# KiCad board LittleSixteen.kicad_pcb (continued)
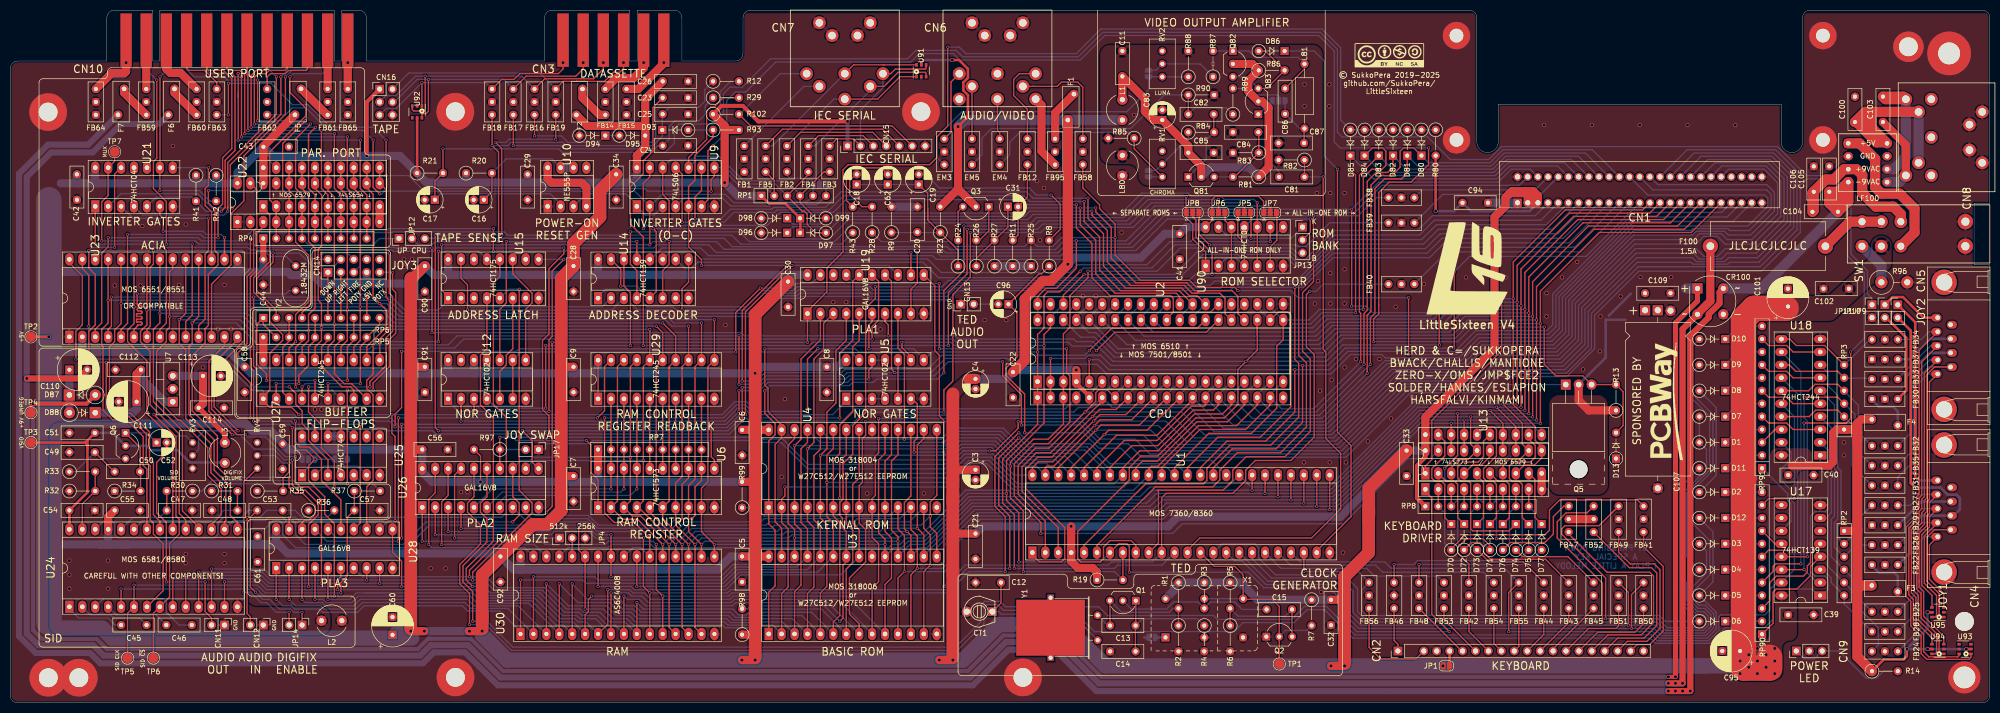
[diagram p0: board, top side]
## Routing (per net, layer and track width the routed paths; a pad name or vN(x,y) marks a point on that pad's centre or on a via; arc(x,y) is an arc through that point) (continued)
a13: length 331.5
  Top w0.25: D83.1 265.13,103.79 265.13,76.86 265.38,76.61 v1(265.38,67.08) ; 118.69,28.15 U30.25 ; U30.25 v1(118.06,24.79) ; U30.25 v1(118.06,33.05) ; U26.3 v1(86.06,33.68) ; U2.19 247.6,58.57 242.77,53.75 233.78,53.75 226.26,46.23 U1.38 ; U3.26 v1(154.13,32.41) 154.13,34.06 152.86,35.33 152.86,50.7 154.13,51.97 U4.26
  Bottom w0.25: v1(118.06,24.79) 139.65,24.79 142.06,27.21 152.55,27.21 U3.26 ; D83.1 272.24,104.3 291.54,104.3 294.08,106.84 306.79,106.84 CN1.J ; v1(265.38,67.08) 256.11,57.81 249.81,57.81 U2.19 247.6,60.61 U102.20 ; v1(154.13,32.41) 174.57,32.41 175.21,33.05 179.02,33.05 187.78,41.81 196.17,41.81 196.8,41.18 221.31,41.18 223.22,43.08 224.56,43.08 U1.38 ; v1(118.06,33.05) 115.14,33.05 113.87,34.32 106.66,34.32 106.03,33.68 v1(86.06,33.68)
a14: length 351.7
  Top w0.25: U30.11 v1(125.68,21.62) 124.41,22.89 v1(124.41,32.41) ; v1(265.89,77.37) 265.89,103.27 267.55,104.93 269.57,104.93 270.33,105.7 270.33,108.49 269.7,109.13 267.67,109.13 D84.1 ; U1.37 228.8,46.23 230.84,48.27 230.84,48.29 235.54,52.99 243.91,52.99 248.87,57.94 248.87,70.14 250.14,71.41 U2.21 ; v1(198.2,52.1) 194.26,48.16 194.26,38.89 196.42,36.73 v1(196.42,26.44) ; U26.2 v1(83.52,33.05)
  Bottom w0.25: v1(125.68,21.62) 127.2,21.62 ; 127.2,21.62 126.7,21.62 ; 127.2,21.62 140.92,21.62 141.56,22.25 183.85,22.25 188.04,26.44 v1(196.42,26.44) ; 247.6,78.39 247.6,77.8 U2.21 255.18,75.26 257.28,77.37 v1(265.89,77.37) ; U1.37 227.21,46.38 215.6,46.38 211.66,50.32 199.98,50.32 v1(198.2,52.1) ; v1(124.41,32.41) 115.01,32.41 113.74,33.68 106.88,33.68 106.25,33.05 v1(83.52,33.05) ; D84.1 270.08,103.66 291.8,103.66 294.34,106.2 305.43,106.2 CN1.H
a15: length 356.6
  Top w0.25: U2.22 249.19,76.85 251.04,76.85 251.66,76.23 251.66,58.23 245.65,52.22 237.31,52.22 231.34,46.26 U1.36 ; v1(198.2,53.11) 193.5,48.41 193.5,38.64 195.53,36.6 v1(195.53,25.81) ; v1(264.36,76.74) 264.36,103.79 263.35,104.81 D85.1 ; v1(126.95,31.14) 126.95,22.25 v1(128.22,20.98) U30.12 ; U26.1 v1(80.98,31.78)
  Bottom w0.25: v1(195.53,25.81) 188.42,25.81 184.23,21.62 141.81,21.62 141.17,20.98 v1(128.22,20.98) ; 245.06,78.39 245.06,77.8 U2.22 ; 273.63,103.03 292.11,103.03 294.65,105.57 304.06,105.57 CN1.F ; 273.63,103.03 267.92,103.03 D85.1 ; 273.63,103.03 270.08,103.03 ; v1(198.2,53.11) 200.36,50.95 212.17,50.95 216.1,47.02 229.11,47.02 U1.36 ; v1(251.66,74.5) 255.52,74.5 257.76,76.74 v1(264.36,76.74) ; v1(80.98,31.78) 104.47,31.78 105.11,31.14 116.92,31.14 117.55,31.78 126.31,31.78 v1(126.95,31.14)
A15_10_HIGH: length 337.3
  Top w0.25: v1(184.23,128.93) 184.23,113.44 182.07,111.28 182.07,107.22 180.67,105.82 164.67,105.82 163.65,104.8 163.65,88.67 160.48,85.5 160.48,80.8 156.67,76.99 U19.1 v1(156.67,70.89) ; v1(105.36,37.49) 106.5,38.64 v1(106.5,70.89) 106.5,70.26 ; U28.19 v1(54.81,36.48)
  Bottom w0.25: v1(105.36,37.49) 104.72,36.86 103.2,36.86 102.57,37.49 102.57,39.4 101.8,40.16 98.25,40.16 97.49,39.4 97.49,37.37 96.6,36.48 73.99,36.48 73.36,35.84 56.72,35.84 56.08,36.48 v1(54.81,36.48) ; v1(184.23,128.93) 186.51,128.93 187.78,127.66 209.5,127.66 214.33,132.49 257.76,132.49 261.44,128.81 261.44,114.59 D85.2 D84.2 D83.2 D82.2 D81.2 D80.2 R80.1 ; v1(106.5,70.89) v1(156.67,70.89)
AEC: length 306.3
  Top w0.25: U1.35 233.88,46.23 239.11,51.46 246.71,51.46 252.43,57.18 252.43,65.37 252.3,65.5 ; U102.5 v1(212.04,67.47) ; v1(100.66,53.49) 102.57,51.59 102.57,47.32 U26.11
  Bottom w0.25: CN1.22 336.3,96.43 319.16,96.43 303.1,80.36 303.1,74.32 301.96,73.18 287.99,73.18 283.92,69.12 262.84,69.12 259.23,65.5 215.91,65.5 213.94,67.47 v1(212.04,67.47) ; U102.5 209.5,60.61 U2.4 207.29,57.81 165.94,57.81 163.53,55.4 145.24,55.4 144.6,56.03 143.59,56.03 141.05,53.49 v1(100.66,53.49)
  vias: v1(252.43,65.5)
BA: length 180.3
  Top w0.25: U2.2 204.42,63.02 ; v1(253.95,66.33) 253.95,55.15 248.74,49.94 240.13,49.94 236.42,46.23 U1.34 ; U102.2 v1(204.42,67.72) ; v1(283.75,84.74) 283.75,69.83 v1(283.67,69.75)
  Bottom w0.25: v1(283.75,84.74) 286.8,87.79 309.66,87.79 CN1.13 ; v1(283.67,69.75) 262.33,69.75 258.91,66.33 v1(253.95,66.33) 216.29,66.33 214.26,68.35 211.91,68.35 211.28,67.72 v1(204.42,67.72)
C1_HIGH: length 186
  Bottom w0.25: 130.76,87.2 132.59,85.38 133.81,85.38 135.08,86.64 179.37,86.64 182.41,83.6 229.82,83.6 234.39,88.17 241.25,88.17 241.88,87.53 250.9,87.53 252.55,85.88 254.84,85.88 260.05,91.09 277.32,91.09 280.24,94.01 301.88,94.01 CN1.6
C1_LOW: length 187.5
  Top w0.25: v1(129.49,90.71) 129.49,86.26 128.22,84.99 U14.6
  Bottom w0.25: CN1.B 296.53,101.76 269.58,101.76 264.24,96.42 226.14,96.42 219.92,90.2 207.6,90.2 205.89,88.49 183.78,88.49 183.08,89.19 140.28,89.19 138.76,90.71 v1(129.49,90.71)
C2_HIGH: length 197.9
  Top w0.25: U14.9 133.3,82.7 132.03,81.43 v1(132.03,77.24)
  Bottom w0.25: v1(132.03,77.24) 144.86,77.24 148.16,80.55 154.25,80.55 154.89,81.18 168.48,81.18 169.11,80.55 183.72,80.55 185.24,82.07 235.79,82.07 236.68,82.96 253.6,82.96 259.96,89.31 278.08,89.31 281,92.23 304.1,92.23 CN1.8
C2_LOW: length 187.1
  Bottom w0.25: 130.76,79.58 132.46,77.88 144.6,77.88 147.78,81.05 153.87,81.05 154.64,81.82 168.99,81.82 169.62,81.18 183.43,81.18 184.83,82.58 233.76,82.58 234.77,83.59 253.38,83.59 259.99,90.2 277.7,90.2 280.62,93.12 302.99,93.12 CN1.7
COLOR: length 107.6
  Top w0.25: C81.2 R82.1 ; v1(258.01,103.41) 258.01,69.5 258.52,68.99 258.52,51.97 261.44,49.05 261.44,38.13 255.73,32.42 233.76,32.42 231.34,30 U1.13
  Bottom w0.25: C81.2 v1(258.01,103.41)
COLOR_CV_PICKUP: length 14.8
  Top w0.25: R84.2 236.5,112.28 C82.2 236.58,115.81
  Bottom w0.25: 231.73,103.41 Q81.1 235.03,106.94 235.03,110.65 R84.2
COLOR_OUT: length 43.6
  Top w0.25: RV1.3 220.86,108.94 R85.1
  Bottom w0.25: R85.1 219.71,112.17 198.33,112.17 196.42,110.26 196.42,107.8 EM4.2 ; JP81.2 RV1.3
COMP_OUT: length 63
  Top w0.25: 231.5,118.9 231.5,115.81
  Bottom w0.25: C82.1 232.76,116.99 239,116.99 R89.1 ; EM5.2 190.96,107.78 190.96,111.04 192.86,112.94 220.17,112.94 226.77,119.53 R90.1
CS_RAMWR: length 151.3
  Top w0.25: v1(143.21,57.3) v1(143.21,61.37) ; v1(76.91,32.41) v1(76.91,54.76) ; v1(137.75,54.76) 137.75,48.41 138.38,47.78 U6.11 ; v1(168.73,63.65) 168.73,65.43 169.37,66.07 169.37,67.64
  Bottom w0.25: 169.37,67.39 U5.11 ; v1(76.91,54.76) 137.62,54.76 v1(137.75,54.76) ; v1(76.91,32.41) 64.14,32.41 U28.16 ; v1(143.21,61.37) 147.27,61.37 148.92,63.02 164.54,63.02 165.18,63.65 v1(168.73,63.65) ; v1(143.21,57.3) 140.67,54.76 v1(137.75,54.76) ; v1(137.75,54.76) 137.87,54.76
d0: length 656.9
  Top w0.25: v1(283.16,54.96) U20.18 U13.18 ; 37.03,87.2 37.03,75.97 v1(35.76,74.7) 35.76,70.64 35.13,70 35.13,56.67 40.08,51.72 40.08,45.75 43.26,42.57 43.26,36.86 44.65,35.46 U24.15 ; U4.11 174.45,34.2 175.72,32.93 v1(175.72,25.81) 174.45,24.54 U3.11 ; U30.21 v1(128.22,31.14) 123.27,36.1 120.4,36.1 U6.2 119.33,39.7 119.33,66.12 120.6,67.39 ; U1.25 v1(259.28,38.01) ; v1(300.69,54.96) 300.69,80.93 312.24,92.48 330.35,92.48 CN1.21 ; 54.84,105.24 54.81,105.21 54.81,100.74 56.08,99.47 56.08,90.58 58.62,88.04 58.62,78.89 56.08,76.35 v1(56.08,71.02) 54.81,69.75 U27.18
  Bottom w0.25: 209.5,78.39 206.96,75.85 U2.38 210.31,71.91 213.06,71.91 216.99,67.98 258.27,67.98 261.95,71.66 283.92,71.66 286.84,74.58 v1(300.69,74.58) ; U24.15 49.98,34.12 51.7,35.84 52.91,35.84 53.54,35.21 53.54,33.05 56.08,30.51 77.93,30.51 82.37,34.95 105.61,34.95 106.25,35.59 113.36,35.59 115.27,33.68 125.68,33.68 v1(128.22,31.14) 132.66,35.59 147.52,35.59 148.16,36.22 164.16,36.22 164.67,36.73 172.74,36.73 U4.11 ; v1(175.72,25.81) 183.59,25.81 184.74,26.96 184.74,30.13 190.71,36.1 226.52,36.1 228.43,38.01 v1(259.28,38.01) 260.94,38.01 277.89,54.96 v1(300.69,54.96) ; v1(56.08,71.02) 55.58,70.51 48.59,70.51 44.4,74.7 v1(35.76,74.7)
d1: length 674.1
  Top w0.25: v1(285.7,55.59) U20.17 U13.17 ; CN1.20 328.99,93.12 311.22,93.12 299.92,81.82 v1(299.92,75.27) v1(299.92,55.59) ; U4.12 176.99,34.07 177.94,33.12 ; U23.19 34.49,76.61 v1(33.22,75.34) 33.22,70.64 34.49,69.37 34.49,55.91 39.45,50.95 39.45,45.24 42.37,42.32 42.37,35.84 42.11,35.59 U24.16 ; 57.38,105.24 57.35,105.21 57.35,102.19 57.38,102.17 57.38,101.12 58.62,99.88 58.62,90.71 59.89,89.44 59.89,77.62 58.62,76.35 v1(58.62,73.18) 58.62,71.24 57.38,70 57.38,67.39 ; v1(98.76,35.59) 100.03,36.86 100.03,39.27 98.76,40.54 U26.13 ; 177.94,33.12 178.13,32.93 ; 177.94,33.12 178.26,32.8 v1(178.26,26.44) 176.99,25.17 U3.12 ; U1.26 v1(256.74,38.64) ; U30.13 129.49,14.81 v1(129.49,31.14) 123.9,36.74 122.26,36.74 120.6,38.39 120.6,38.43 121.87,39.7 v1(121.87,48.29) 121.87,66.12 U29.17
  Bottom w0.25: 212.04,78.39 209.5,75.85 U2.37 211.96,72.8 213.31,72.8 217.31,68.8 257.96,68.8 261.44,72.29 283.41,72.29 286.39,75.27 v1(299.92,75.27) ; U4.12 174.78,36.22 166.45,36.22 165.81,35.59 149.18,35.59 148.52,34.94 133.28,34.94 v1(129.49,31.14) ; v1(121.87,48.29) 102.82,48.29 102.19,47.65 100.35,47.65 U26.13 ; v1(58.62,73.18) 47.32,73.18 45.16,75.34 v1(33.22,75.34) ; U24.16 43.84,35.84 50.12,35.84 50.75,36.48 53.54,36.48 54.18,35.84 55.58,35.84 56.08,35.33 56.08,33.05 57.99,31.14 77.29,31.14 81.74,35.59 v1(98.76,35.59) ; v1(178.26,26.44) 183.21,26.44 184.1,27.34 184.1,30.51 190.33,36.74 225.89,36.74 227.79,38.64 v1(256.74,38.64) 260.69,38.64 277.64,55.59 v1(299.92,55.59)
d2: length 661
  Top w0.25: v1(286.97,56.23) 286.97,50.88 U13.16 286.54,47.91 284.81,47.91 283.16,46.26 U20.3 ; 59.92,105.24 59.89,105.21 59.89,102.19 59.92,102.17 59.92,101.12 61.19,99.85 61.19,89.85 60.53,89.18 60.53,79.15 61.16,78.51 61.16,71.25 59.92,70 59.92,67.39 ; 39.6,34.12 39.6,35.11 41.48,36.98 41.48,42.06 38.81,44.73 38.81,50.19 33.35,55.65 32.91,55.65 28.78,59.78 28.78,69.12 30.68,71.02 30.68,73.18 31.32,73.81 v1(31.32,75.97) 31.32,84.74 31.95,85.37 U23.20 ; U30.20 v1(130.76,31.14) 123.47,38.43 U6.4 124.41,39.7 v1(124.41,47.65) 124.41,66.12 U29.16 v1(125.68,73.43) ; U4.13 179.53,34.32 180.8,33.05 v1(180.8,27.08) 179.53,25.81 U3.13 ; v1(299.16,56.23) v1(299.16,75.97) 299.16,82.8 310.11,93.75 327.62,93.75 CN1.19 ; U1.27 v1(254.2,39.28)
  Bottom w0.25: U4.13 176.68,35.59 168.22,35.59 167.59,34.95 150.19,34.95 149.54,34.3 133.92,34.3 v1(130.76,31.14) ; v1(124.41,47.65) 102.89,47.65 U26.12 ; 214.58,78.39 212.04,75.85 U2.36 217.68,69.63 257.57,69.63 260.87,72.93 282.77,72.93 285.82,75.97 v1(299.16,75.97) ; v1(180.8,27.08) 180.81,27.08 182.82,27.08 183.47,27.72 183.47,30.89 189.95,37.37 225.25,37.37 227.16,39.28 v1(254.2,39.28) 260.43,39.28 277.39,56.23 v1(299.16,56.23) ; v1(125.68,73.43) 74.37,73.43 73.99,73.81 v1(61.16,73.81) 48.08,73.81 45.92,75.97 v1(31.32,75.97)
d3: length 654.3
  Top w0.25: U20.4 287.35,46.77 289.13,46.77 290.78,48.41 U13.15 ; v1(281.89,46.13) 284.43,48.67 v1(284.43,56.86) ; U4.15 182.07,40.79 180.8,39.52 180.8,34.58 182.07,33.31 U3.15 ; U1.28 v1(251.66,39.91) ; U23.21 v1(29.41,76.61) 29.41,74.7 28.14,73.43 28.14,59.21 33.86,53.49 33.86,37.75 37.06,34.54 37.06,34.12 ; 62.46,67.39 62.46,70 63.7,71.25 v1(63.7,74.45) 63.7,99.47 62.46,100.72 62.46,102.17 62.43,102.19 62.43,105.21 62.46,105.24 ; CN1.18 326.26,94.39 309.06,94.39 298.4,83.73 v1(298.4,76.67) v1(298.4,56.86) ; U30.14 132.03,14.81 v1(132.03,31.14) 125.68,37.49 U6.5 126.95,39.7 126.95,66.12 U29.15 128.22,72.8 v1(126.95,74.07)
  Bottom w0.25: v1(281.89,46.13) 281.89,44.1 282.43,43.56 284.15,43.56 U20.4 ; v1(126.95,74.07) 74.94,74.07 74.56,74.45 v1(63.7,74.45) 48.72,74.45 46.56,76.61 v1(29.41,76.61) ; v1(132.03,31.14) 134.6,33.71 150.73,33.71 151.33,34.32 169.24,34.32 169.88,34.95 179.02,34.95 v1(180.8,36.73) ; v1(298.4,76.67) 285.12,76.67 282.01,73.56 260.3,73.56 257.19,70.45 219.39,70.45 U2.35 214.58,75.85 217.12,78.39 ; U3.15 182.07,30.51 189.57,38.01 224.62,38.01 226.52,39.91 v1(251.66,39.91) 260.18,39.91 277.13,56.86 v1(298.4,56.86)
d4: length 616.5
  Top w0.25: v1(290.78,57.5) 293.32,54.96 U20.14 U13.14 ; v1(249.12,40.55) U1.29 249.17,44.78 ; 65,105.24 64.97,105.21 64.97,102.19 65,102.17 65,100.99 66.24,99.75 v1(66.24,77.24) 66.24,71.25 65,70 65,67.39 ; 26.87,87.2 v1(26.87,77.24) 26.87,74.32 25.6,73.05 25.6,71.02 27.51,69.12 27.51,58.57 33.22,52.86 33.22,37.24 34.49,35.97 U24.19 ; v1(297.64,57.5) v1(297.64,77.37) 297.64,84.61 308.05,95.02 324.89,95.02 CN1.17 ; v1(128.22,74.7) 130.76,72.16 130.76,67.39 129.49,66.12 129.49,39.7 U6.6 128.22,36.22 v1(133.3,31.14) U30.19 ; U3.16 179.53,33.05 v1(178.26,34.32) 178.26,50.7 179.53,51.97 U4.16
  Bottom w0.25: v1(297.64,77.37) 284.43,77.37 281.25,74.2 259.79,74.2 256.88,71.28 221.11,71.28 U2.34 217.12,75.85 219.66,78.39 ; v1(133.3,31.14) 135.21,33.05 151.84,33.05 152.48,33.68 170.96,33.68 171.59,34.32 v1(178.26,34.32) ; U3.16 179.53,28.98 189.19,38.64 223.98,38.64 225.89,40.55 v1(249.12,40.55) 259.92,40.55 276.88,57.5 v1(297.64,57.5) ; v1(128.22,74.7) 75.52,74.7 72.97,77.24 v1(66.24,77.24) v1(26.87,77.24)
d5: length 631.9
  Top w0.25: v1(292.05,58.13) 295.86,54.32 U20.13 U13.13 ; 67.54,105.24 67.51,105.21 67.51,102.19 67.54,102.17 67.54,101.12 68.78,99.88 v1(68.78,77.88) 68.78,71.25 67.54,70 67.54,67.39 ; v1(133.3,74.07) U29.13 132.03,66.12 132.03,44.51 130.76,43.24 130.76,34.95 v1(134.57,31.14) 134.57,14.81 U30.15 ; U24.20 31.95,51.84 26.87,56.92 26.87,67.21 23.06,71.02 23.06,73.31 24.33,74.58 U23.23 ; v1(296.88,58.13) v1(296.88,78.07) 296.88,85.31 307.22,95.66 323.53,95.66 CN1.16 ; U4.17 176.99,40.67 175.72,39.4 175.72,34.19 v1(176.23,33.68) 176.99,32.92 U3.17 ; v1(246.58,41.18) U1.30
  Bottom w0.25: v1(133.3,74.07) 130,74.07 128.73,75.34 76.02,75.34 73.48,77.88 v1(68.78,77.88) v1(24.33,77.88) ; 222.2,78.39 219.66,75.85 U2.33 222.82,72.1 256.56,72.1 259.28,74.83 280.36,74.83 283.6,78.07 v1(296.88,78.07) ; v1(134.57,31.14) 135.84,32.41 152.99,32.41 153.62,33.05 172.92,33.05 173.56,33.68 v1(176.23,33.68) ; U3.17 178.71,30.51 180.16,30.51 183.34,33.69 183.34,33.69 188.93,39.28 223.35,39.28 225.25,41.18 v1(246.58,41.18) 259.67,41.18 276.62,58.13 v1(296.88,58.13)
d6: length 627.2
  Top w0.25: v1(293.32,58.77) 297.13,54.96 297.13,50.88 U13.12 296.7,47.91 294.53,47.91 293.32,46.7 U20.7 ; U4.18 174.45,48.8 173.18,47.53 173.18,33.94 174.13,32.99 174.13,32.98 174.19,32.92 174.45,32.67 v1(174.45,31.78) U3.18 ; v1(296.11,58.77) v1(296.11,78.77) 296.11,86.01 306.4,96.29 322.16,96.29 CN1.15 ; v1(244.04,41.82) U1.31 ; 70.08,67.39 70.08,70.03 73.86,73.81 73.86,77.24 v1(72.59,78.51) 71.32,79.78 71.32,100.01 70.08,101.25 70.08,105.24 ; v1(135.84,74.7) U29.12 134.57,66.12 134.57,43.97 133.3,42.7 U6.8 133.3,33.68 v1(135.84,31.14) U30.18 ; U23.24 21.79,74.58 20.52,73.31 20.52,71.02 19.51,70 19.51,58.57 21.16,56.92 23.7,56.92 27.38,53.24 27.38,48.03 28.14,47.27 28.14,36.98 29.41,35.71 U24.21
  Bottom w0.25: v1(174.45,31.78) 136.47,31.78 v1(135.84,31.14) ; v1(296.11,78.77) 283.03,78.77 279.73,75.47 258.78,75.47 256.24,72.93 224.53,72.93 U2.32 222.2,75.85 224.74,78.39 ; U3.18 176.81,31.14 179.91,31.14 188.68,39.91 222.71,39.91 224.61,41.81 244.04,41.81 v1(244.04,41.82) 259.42,41.82 276.37,58.77 v1(296.11,58.77) ; v1(135.84,74.7) 130.38,74.7 129.11,75.97 76.53,75.97 73.99,78.51 v1(72.59,78.51) v1(21.79,78.51)
d7: length 621.7
  Top w0.25: U20.8 297.51,46.77 299.54,46.77 300.94,48.17 U13.11 300.94,50.32 299.67,51.59 299.67,54.32 v1(294.59,59.4) 295.35,60.17 v1(295.35,79.47) 295.35,86.71 305.57,96.93 320.8,96.93 CN1.14 ; U30.17 v1(138.38,31.14) 135.84,33.68 U6.9 135.84,42.19 137.11,43.46 137.11,66.12 U29.11 v1(138.38,75.34) ; 72.62,67.39 72.62,71.56 74.5,73.43 v1(74.5,79.15) 73.86,79.78 73.86,100.92 72.62,102.17 72.62,105.24 ; U4.19 171.91,49.05 170.64,47.78 170.64,33.43 171.91,32.16 v1(171.91,31.14) U3.19 ; U23.25 19.25,74.7 17.98,73.43 17.98,70.26 18.24,70 18.24,57.56 20.14,55.65 22.84,55.65 26.14,52.35 26.14,46.7 26.87,45.97 26.87,34.12
  Bottom w0.25: v1(171.91,31.14) v1(138.38,31.14) ; 227.28,78.39 224.74,75.85 U2.31 226.27,73.73 255.9,73.73 258.27,76.1 279.09,76.1 282.46,79.47 v1(295.35,79.47) ; v1(294.59,59.4) 276.12,59.4 259.16,42.45 243.84,42.45 U1.32 239.17,42.45 223.91,42.45 222.01,40.55 188.42,40.55 179.66,31.78 176.48,31.78 175.24,30.53 173.66,30.53 U3.19 ; v1(138.38,75.34) 130.76,75.34 129.49,76.61 77.04,76.61 v1(74.5,79.15) v1(19.25,79.15)
EXT_AUDIO: length 224.7
  Top w0.25: FB58.2 210.77,101.25 214.07,97.95 214.07,97.19 217.12,94.14 v1(217.12,91.47) 217.12,88.04 222.07,83.09 231.73,83.09 233.12,81.69 240.61,81.69 v1(241.25,81.05) ; v1(274.78,79.66) v1(274.78,68.48)
  Bottom w0.25: CN1.23 337.41,95.54 319.16,95.54 303.73,80.11 303.73,73.94 302.27,72.48 288.3,72.48 284.3,68.48 v1(274.78,68.48) ; v1(241.25,81.05) 251.66,81.05 253.06,79.66 v1(274.78,79.66) ; R28.1 171.14,90.71 184.67,90.71 185.62,89.76 199.39,89.76 R25.2 201.78,89.75 204.86,89.75 206.58,91.47 v1(217.12,91.47)
k0: length 190.4
  Top w0.25: v1(313.51,16.54) 313.51,24.54 304.88,33.18 304.88,34.2 305.51,34.83 312.22,34.83 FB49.1 314.76,37.37
  Bottom w0.25: U1.15 238.15,31.27 244.55,31.27 245.31,30.51 245.31,28.48 248.62,25.17 262.08,25.17 264.75,22.51 264.75,17.93 266.14,16.54 v1(313.51,16.54) 323.8,16.54 325.58,14.76 332.44,14.76 333.2,15.52 333.2,16.79 332.69,17.3 331.42,17.3 328.75,19.97 328.75,41.3 333.32,45.87 333.32,49.81 D1.2 D7.2
k1: length 170.2
  Top w0.25: v1(318.59,14.63) 318.59,21.29 FB50.1
  Bottom w0.25: U1.16 240.58,27.93 242.05,27.93 246.71,23.27 259.79,23.27 262.08,20.98 262.08,17.55 265,14.63 v1(318.59,14.63) 323.04,14.63 324.44,13.24 333.2,13.24 334.72,14.76 334.72,17.55 333.07,19.2 331.8,19.2 330.66,20.35 330.66,21.87 333.96,25.17 333.96,31.9 330.66,35.21 330.66,40.16 D2.2 335.23,44.73 335.23,58.07 D8.2
k2: length 171.8
  Top w0.25: v1(317.96,15.27) 317.96,21.75 FB51.1
  Bottom w0.25: U1.17 247.14,23.9 260.43,23.9 262.97,21.36 262.97,17.68 265.38,15.27 v1(317.96,15.27) 323.29,15.27 324.82,13.74 332.94,13.74 334.21,15.01 334.21,17.3 332.94,18.57 331.67,18.57 330.02,20.22 330.02,22.25 333.32,25.55 333.32,29.87 D3.2 330.02,33.17 330.02,41.18 334.6,45.75 334.6,56.67 330.66,60.61 330.66,65.18 D9.2
k3: length 196.5
  Top w0.25: v1(312.88,15.9) 312.88,23.53 303.99,32.42 303.99,35.59 305.77,37.37 309.86,37.37 FB52.1
  Bottom w0.25: U1.18 244.04,28.35 247.85,24.54 261.32,24.54 263.86,22 263.86,17.81 265.76,15.9 v1(312.88,15.9) 323.55,15.9 325.2,14.25 332.69,14.25 333.71,15.27 333.71,17.05 332.82,17.93 331.55,17.93 329.39,20.09 329.39,23.65 D4.2 329.39,28.73 329.39,41.25 333.96,45.82 333.96,56.35 330.02,60.29 330.02,69.62 331.86,71.45
k4: length 37.6
  Bottom w0.25: FB53.1 280.47,24.92 268.04,24.92 266.52,26.44 249.69,26.44 U1.19
k5: length 44.9
  Bottom w0.25: FB54.1 289.51,25.69 269.69,25.69 268.3,27.08 251.59,27.08 U1.20
k6: length 125.2
  Top w0.25: 296.44,23.68 294.46,21.7 v1(294.46,14)
  Bottom w0.25: v1(294.46,14) 322.78,14 324.05,12.73 333.45,12.73 335.23,14.51 335.23,17.81 D5.2 334.6,23.78 334.6,33.68 D12.2 ; FB55.1 293.65,26.45 271.35,26.45 270.08,27.71 253.5,27.71 U1.21
k7: length 124
  Top w0.25: U1.22 v1(254.2,25.81)
  Bottom w0.25: v1(254.2,25.81) 264.88,25.81 FB56.1 265.63,22.26 265.63,18.06 266.52,17.17 324.05,17.17 325.2,16.03 D6.2 328.12,19.84 328.12,42.32 D11.2
KEYPORT_CS: length 213.7
  Top w0.25: v1(182.58,69.62) v1(182.58,82.45) ; v1(202.51,33.31) 202.51,35.47 197.31,40.67 197.31,47.02 201.25,50.96 203.99,50.96 208.23,55.2 208.23,64.29 207.59,64.92 v1(207.6,69.62)
  Bottom w0.25: U19.17 165.99,82.45 v1(182.58,82.45) ; v1(202.51,33.31) 228.43,33.31 230.33,35.21 261.95,35.21 274.78,48.03 279.04,48.03 U13.19 279.35,50.88 279.35,53.75 279.93,54.32 299.35,54.32 U20.11 ; v1(182.58,69.62) v1(207.6,69.62)
LUM_OUT: length 61.9
  Bottom w0.25: EM3.2 182.07,107.31 182.07,111.28 187.03,116.24 219.41,116.24 223.7,120.53 JP82.2 RV2.3 R88.1
LUMA_CV_PICKUP: length 10.5
  Bottom w0.25: JP18.2 249.25,119.28 249,119.53 244.55,119.53 243.28,120.81 R89.2
MUX: length 450.7
  Top w0.25: v1(17.98,90.83) 17.98,98.52 19.25,99.79 U21.13 20.52,106.51 TP7.1 ; U19.7 171.91,74.96 172.55,74.32 172.55,72.8 172.54,72.8 v1(172.54,72.16) ; v1(280.81,84.74) 280.81,70.45 v1(280.87,70.39) ; v1(82.88,89.44) v1(82.88,72.8) ; U1.9 221.18,30.99 220.27,31.9 216.1,31.9 214.83,30.63 214.83,28.35 214.2,27.71 210.39,27.71 209.75,28.35 209.75,33.68 219.91,43.84 219.91,46.26 222.19,48.54 225.5,48.54 233,56.03 238.58,56.03 241.25,58.71 241.25,65.56 245.06,69.37 U2.23 245.06,72.3
  Bottom w0.25: v1(280.87,70.39) 261.82,70.39 258.59,67.15 v1(242.84,67.15) 216.68,67.15 212.8,71.03 209.5,71.03 208.99,71.53 186.26,71.53 185.62,72.16 v1(172.54,72.16) 144.22,72.16 143.59,72.8 v1(82.88,72.8) ; v1(82.88,89.44) 75.64,89.44 75.52,89.56 48.46,89.56 47.83,90.2 37.03,90.2 36.4,90.83 v1(17.98,90.83) ; CN1.12 308.55,88.68 284.75,88.68 v1(280.81,84.74)
p0: length 148
  Top w0.25: U2.30 227.28,75.53 228.55,76.8 ; 228.55,76.8 228.55,79.53 228.04,80.04 216.1,80.04 212.55,83.6 212.55,90.33 209.5,93.38 v1(209.5,97.95) ; 228.55,76.8 235.85,76.8 237.44,78.39 ; U9.13 125.68,103.41 124.41,102.14 v1(124.41,93.25)
  Bottom w0.25: 126.95,93.88 148.79,93.88 151.33,96.43 161.75,96.43 164.29,98.96 198.7,98.96 199.72,97.95 v1(209.5,97.95) ; 126.95,93.88 125.04,93.88 v1(124.41,93.25) ; 126.95,93.88 126.95,93.88
p1: length 132.8
  Top w0.25: v1(211.02,98.58) 211.02,94.65 214.07,91.6 214.07,85.12 218.14,81.06 229.69,81.06 232.36,78.39 ; 130.76,105.24 132.03,103.97 v1(132.03,94.52)
  Bottom w0.25: 232.36,78.39 229.82,75.85 U2.29 ; v1(132.03,94.52) 140.28,94.52 142.19,96.43 150.19,96.43 150.69,96.93 160.95,96.93 163.75,99.72 199.21,99.72 200.35,98.58 v1(211.02,98.58)
p2: length 132.5
  Top w0.25: 234.9,78.39 233.25,80.04 231.73,80.04 230.2,81.57 219.15,81.57 214.83,85.88 214.83,92.23 211.79,95.28 v1(211.79,99.22) ; U9.9 135.84,100.74 134.57,99.47 v1(134.57,95.15)
  Bottom w0.25: 234.9,78.39 232.36,75.85 U2.28 ; v1(134.57,95.15) 139.65,95.15 141.56,97.06 149.68,97.06 150.06,97.44 160.22,97.44 163.27,100.48 199.72,100.48 200.99,99.22 v1(211.79,99.22)
p3: length 173.9
  Top w0.25: v1(212.04,69.25) 216.49,73.69 233.33,73.69 U2.27 ; v1(135.84,86.01) 135.84,87.15 133.3,89.69 U9.5 133.3,101.51 134.57,102.78 134.57,107.66 138.13,111.22 R93.1 ; v1(152.73,86.01) 143.84,77.12 v1(143.84,63.27)
  Bottom w0.25: v1(135.84,86.01) v1(152.73,86.01) ; 133.22,112.65 R93.1 ; v1(143.84,63.27) 146.63,63.27 148.29,64.92 163.4,64.92 164.03,65.56 180.29,65.56 183.08,68.35 211.15,68.35 v1(212.04,69.25)
p4: length 212.4
  Top w0.25: U2.26 235.04,72.87 217.06,72.87 v1(213.44,69.24) ; v1(124.41,70.26) 124.41,91.59 121.87,94.13 121.87,101.5 124.41,104.04 124.41,106.59 126.31,108.49 126.31,117.07 C23.2 ; FB16.2 v1(103.03,111.47)
  Bottom w0.25: 212.16,70.14 212.54,70.14 v1(213.44,69.24) ; 212.16,70.14 212.55,70.14 ; 212.16,70.14 208.73,70.14 207.98,70.89 185.88,70.89 185.24,71.53 172.42,71.53 171.78,70.89 157.68,70.89 157.05,70.26 v1(124.41,70.26) ; C23.2 126.76,117.51 126.76,110.97 126,110.2 121.05,110.2 D95.2 D94.1 115.6,110.2 109.61,110.2 108.34,111.47 103.01,111.47 ; 239.98,78.39 237.44,75.85 U2.26
p6: length 171.4
  Top w0.25: U9.10 133.3,107.22 136.86,110.77 136.86,116.36 137.62,117.12 138.25,117.12 140.11,118.97 R29.2 ; 152.68,100.03 RP1.3 ; RP1.3 156.82,103.85 FB4.2 ; RP1.3 152.68,99.65 155.64,96.68 156.04,96.68 156.61,96.11 156.61,94.06 158.25,92.42 D97.2 ; v1(212.55,96.68) 212.55,95.92 215.6,92.87 215.6,86.65 220.17,82.07 230.71,82.07 232.23,80.55 232.87,80.55 ; 232.87,80.55 237.69,80.55 238.71,79.53 238.71,76.53 U2.25 ; 232.87,80.55 233.62,80.55
  Bottom w0.25: U2.25 239.98,75.85 242.52,78.39 ; U9.10 134.9,106.84 139.02,106.84 143.84,102.01 150.36,102.01 RP1.3 ; D96.1 153.88,93.63 159.09,93.63 D97.2 160.42,92.42 163.66,95.66 199.34,95.66 200.36,96.68 v1(212.55,96.68)
p7: length 249.3
  Top w0.25: v1(210.26,97.31) 210.26,94.01 213.31,90.96 213.31,84.36 217.12,80.55 229.11,80.55 229.82,79.84 229.82,78.39 ; U2.24 241.25,76.53 241.25,79.92 240.11,81.06 232.74,81.06 231.22,82.58 221.18,82.58 216.36,87.41 216.36,93.5 213.31,96.55 v1(213.31,97.31) ; FB3.2 159.94,104.42 RP1.4 155.22,98.38 158.31,95.28 D99.2 ; v1(128.22,91.34) 129.49,92.61 129.49,98.71 128.22,99.98 128.22,105.24
  Bottom w0.25: 81.51,91.33 JP12.3 81.52,91.34 v1(128.22,91.34) 128.21,91.33 ; v1(213.31,97.31) v1(210.26,97.31) 199.73,97.31 198.7,96.29 162.63,96.29 161.62,95.28 D99.2 159.15,94.14 153.82,94.14 D98.1 ; RP1.4 155.22,99.97 152.54,102.65 144.09,102.65 139.27,107.47 134.7,107.47 134.06,106.84 129.82,106.84 128.22,105.24
PHI0: length 207
  Top w0.25: v1(168.73,69.62) 168.73,74.32 169.37,74.96 U19.6 ; v1(197.31,26.44) 197.31,36.99 195.02,39.28 195.02,47.91 201.88,54.77 U2.1 v1(201.88,68.99) 201.88,72.42 203.15,73.69 203.15,80.11 203.85,80.8 206.2,80.8 v1(210.26,84.87)
  Bottom w0.25: U5.8 181.13,68.99 v1(201.88,68.99) ; v1(168.73,69.62) 177.55,69.62 179.53,67.64 ; FB39.1 259.29,94.39 254.65,89.75 253,89.75 252.68,90.07 243.28,90.07 242.65,90.71 234.01,90.71 233.38,90.07 228.93,90.07 224.36,85.5 210.9,85.5 v1(210.26,84.87) ; v1(197.31,26.44) 216.99,26.44 217.63,27.08 226.34,27.08 U1.12
PHI2: length 434.3
  Top w0.25: v1(71.32,70.39) 71.32,64.67 70.05,63.4 70.05,61.84 71.32,60.57 71.32,43.72 70.05,42.45 U28.13 ; v1(173.81,64.92) 173.18,65.56 173.18,82.88 U19.14 ; v1(143.21,62.64) v1(143.21,72.16) ; v1(15.44,74.07) 15.44,84.1 14.17,85.37 U23.27